# Altium PCB PCB2.PcbDoc (part 2 of 2)
Units mil, origin at the board's own origin, x right, y up, seen from the top; angles counter-clockwise.
Board outline 3044 x 3575 mil, 4 copper layers (Top Layer, second layer, Third layer, Bottom Layer), stack 31.458 mil thick; 117 components, 89 nets, 382 pads, 292 vias.
Unrouted connection lines stored in the file: 1.
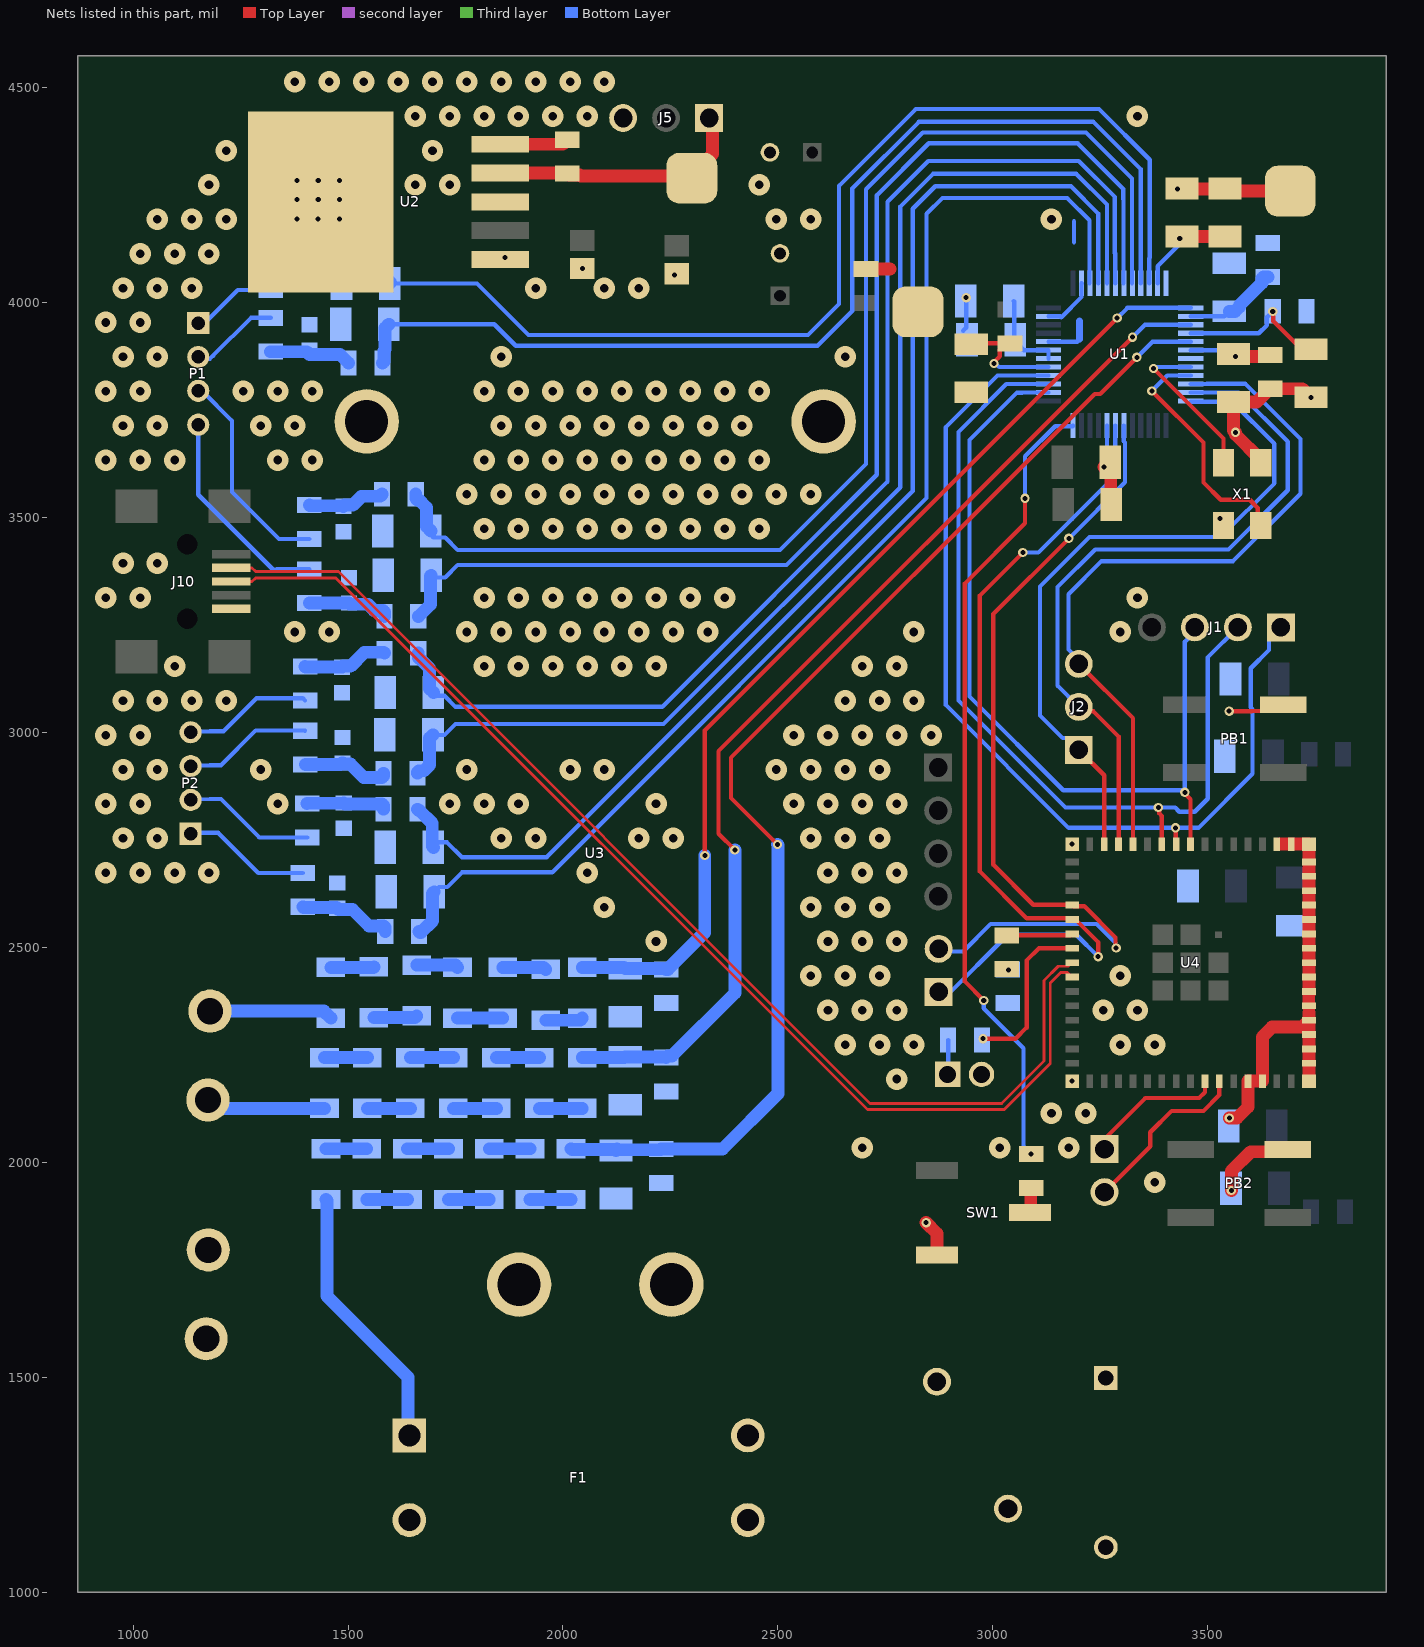
[diagram p4: the nets of this part, all layers, seen from the top]

## Via types
v1: diameter 50, hole 20, Top Layer to Bottom Layer, 219 vias
v2: diameter 21.65, hole 11.81, Top Layer to Bottom Layer, 68 vias
v3: diameter 216.54, hole 196.85, Top Layer to Bottom Layer, 4 vias
v4: diameter 21.65, hole 11.81, Top Layer to Bottom Layer, tented top, 1 vias

## Nets (pads, with @x,y where several pads share a name; then routed paths per layer and width w, separated by ;. In a path a pad name is that pad's centre, name@x,y a point inside that pad or via, vN(x,y) a via of type N, cw(c..) or ccw(c..) an arc to the next point about the centre after c; other vN are vias at no path point) (continued)
GND: C1.2 C2.1 C3.2 C4.2 C5.2 C6.2 C7.2 C8.2 C9.2 C10.2 C11.2 C12.2 C13.1 C14.1 C15.2 C16.2 C17.1 C18.1 C19.2 C20.2 C21.2 C23.1 C24.1 C25.2 C26.2 C27.2 C28.2 C29.2 C30.2 C31.2 C32.2 J5.3 J8.2 J10.5 PB1.B1 PB2.B1 R3.2 R4.2 R5.2 R10.2 R11.2 R12.1 R13.1 R22.2 R23.2 R24.1 R25.1 R37.2 R45.2 R53.2 R58.2 SW1.3 TP3.1 U1.2 U1.12 U1.19 U1.32 U1.44 U1.47 U2.1 U2.3 U2.6 U3.3 U4.1 U4.2 U4.42 U4.43 U4.46 U4.47 U4.48 U4.49 U4.50 U4.51 U4.52 U4.53 U4.54 U4.55 U4.56 U4.57 U4.58 U4.59 U4.60 U4.62 U4.63 U4.64 U4.65 X1.2 X1.4 | length 2625.5
  Top Layer w10: v2(3550,3050) 3602.05,3050 3602.32,3050.28 3661.5,3050.28 PB1.B1@3676.18,3064.96
  Top Layer w30: v2(2845,1860) 2870,1835 SW1.3@2870,1785 ; v2(3259,3618) 3263.23,3618 3273.43,3628.2 C3.2@3273.43,3628.94 3274.41,3627.95 3274.41,3531.5 C1.2@3275.39,3530.51 ; v2(3430,4265) 3539.09,4265 C6.2@3540,4265.91 3545.91,4260 TP3.1@3692,4260 ; v2(3550.2,2103.35) 3568.35,2103.35 3593.9,2128.9 U4.42@3593.9,2189.37 U4.43@3627.36,2189.37 3627.36,2292.36 3650,2315 3719.53,2315 U4.49@3735.63,2331.1 ; v2(3555,1935) 3555,1980 3600,2025 3681.38,2025 PB2.B1@3686.38,2030 ; X1.2@3623.31,3627.83 3623.31,3634.72 3564.46,3693.58 v2(3564.46,3698.7) 3560,3703.16 C8.2@3560,3769.09 3614.09,3769.09 R3.2@3645,3800 3720,3800 v2(3740,3780) ; 3668.7,2740.55 U4.1@3694.29,2740.55 U4.62@3735.63,2740.55 U4.60@3735.63,2699.21 U4.59@3735.63,2665.75 U4.58@3735.63,2632.28 U4.57@3735.63,2598.82 U4.56@3735.63,2565.35 U4.55@3735.63,2531.89 U4.54@3735.63,2498.43 U4.53@3735.63,2464.96 U4.52@3735.63,2431.5 U4.51@3735.63,2398.03 3735.63,2390.63 3735,2390 U4.50@3735,2360 ; U4.65@3735.63,2189.37 U4.46@3735.63,2230.71 U4.47@3735.63,2264.17 U4.48@3735.63,2297.64 U4.49@3735.63,2331.1 ; 3735.63,2349.37 U4.49@3735.63,2331.1
  Bottom Layer w10: C5.2@2931.04,3935.01 2938,3941.97 v2(2938,4012) ; U1.44@3129.65,3909.53 3196.53,3909.53 3202,3915 ; U1.47@3129.65,3968.58 3156.76,3968.58 3159.17,3966.16 3206.42,4013.41 U1.2@3206.42,4045.35 U1.2@3207,4044.77 ; 3189,4141 3189,4190 ; v2(3259,3618) 3261.23,3620.23 3261.23,3630.96 3265.47,3635.2 U1.32@3265.47,3714.65
  Bottom Layer w15.75: 3202,3915 3202,3957.45
  other v1: 3376.54,1954.21 2696.54,2034.21 3016.54,2034.21 3176.54,2034.21 3136.54,2114.21 3216.54,2114.21 2776.54,2194.21 2656.54,2274.21 2736.54,2274.21 2816.54,2274.21 3296.54,2274.21 3376.54,2274.21 2616.54,2354.21 2696.54,2354.21 2776.54,2354.21 3256.54,2354.21 3336.54,2354.21 2576.54,2434.21 2656.54,2434.21 2736.54,2434.21 3296.54,2434.21 2216.54,2514.21 2616.54,2514.21 2696.54,2514.21 2776.54,2514.21 2096.54,2594.21 2576.54,2594.21 2656.54,2594.21 2736.54,2594.21 936.54,2674.21 1016.54,2674.21 1096.54,2674.21 1176.54,2674.21 2056.54,2674.21 2616.54,2674.21 2696.54,2674.21 2776.54,2674.21 976.54,2754.21 1056.54,2754.21 1856.54,2754.21 1936.54,2754.21 2176.54,2754.21 2256.54,2754.21 2576.54,2754.21 2656.54,2754.21 2736.54,2754.21 936.54,2834.21 1016.54,2834.21 1336.54,2834.21 1736.54,2834.21 1816.54,2834.21 1896.54,2834.21 2216.54,2834.21 2536.54,2834.21 2616.54,2834.21 2696.54,2834.21 2776.54,2834.21 976.54,2914.21 1056.54,2914.21 1296.54,2914.21 1776.54,2914.21 2016.54,2914.21 2096.54,2914.21 2496.54,2914.21 2576.54,2914.21 2656.54,2914.21 2736.54,2914.21 936.54,2994.21 1016.54,2994.21 2536.54,2994.21 2616.54,2994.21 2696.54,2994.21 2776.54,2994.21 2856.54,2994.21 976.54,3074.21 1056.54,3074.21 1136.54,3074.21 1216.54,3074.21 2656.54,3074.21 2736.54,3074.21 2816.54,3074.21 1096.54,3154.21 1816.54,3154.21 1896.54,3154.21 1976.54,3154.21 2056.54,3154.21 2136.54,3154.21 2216.54,3154.21 2696.54,3154.21 2776.54,3154.21 1376.54,3234.21 1456.54,3234.21 1776.54,3234.21 1856.54,3234.21 1936.54,3234.21 2016.54,3234.21 2096.54,3234.21 2176.54,3234.21 2256.54,3234.21 2336.54,3234.21 2816.54,3234.21 3296.54,3234.21 936.54,3314.21 1016.54,3314.21 1816.54,3314.21 1896.54,3314.21 1976.54,3314.21 2056.54,3314.21 2136.54,3314.21 2216.54,3314.21 2296.54,3314.21 2376.54,3314.21 3336.54,3314.21 976.54,3394.21 1056.54,3394.21 1816.54,3474.21 1896.54,3474.21 1976.54,3474.21 2056.54,3474.21 2136.54,3474.21 2216.54,3474.21 2296.54,3474.21 2376.54,3474.21 2456.54,3474.21 1776.54,3554.21 1856.54,3554.21 1936.54,3554.21 2016.54,3554.21 2096.54,3554.21 2176.54,3554.21 2256.54,3554.21 2336.54,3554.21 2416.54,3554.21 2496.54,3554.21 2576.54,3554.21 936.54,3634.21 1016.54,3634.21 1096.54,3634.21 1336.54,3634.21 1416.54,3634.21 1816.54,3634.21 1896.54,3634.21 1976.54,3634.21 2056.54,3634.21 2136.54,3634.21 2216.54,3634.21 2296.54,3634.21 2376.54,3634.21 2456.54,3634.21 976.54,3714.21 1056.54,3714.21 1296.54,3714.21 1376.54,3714.21 1856.54,3714.21 1936.54,3714.21 2016.54,3714.21 2096.54,3714.21 2176.54,3714.21 2256.54,3714.21 2336.54,3714.21 2416.54,3714.21 936.54,3794.21 1016.54,3794.21 1256.54,3794.21 1336.54,3794.21 1416.54,3794.21 1816.54,3794.21 1896.54,3794.21 1976.54,3794.21 2056.54,3794.21 2136.54,3794.21 2216.54,3794.21 2296.54,3794.21 2376.54,3794.21 2456.54,3794.21 976.54,3874.21 1056.54,3874.21 1856.54,3874.21 2656.54,3874.21 936.54,3954.21 1016.54,3954.21 976.54,4034.21 1056.54,4034.21 1136.54,4034.21 1936.54,4034.21 2096.54,4034.21 2176.54,4034.21 1016.54,4114.21 1096.54,4114.21 1176.54,4114.21 1056.54,4194.21 1136.54,4194.21 1216.54,4194.21 2496.54,4194.21 2576.54,4194.21 3136.54,4194.21 1176.54,4274.21 1656.54,4274.21 1736.54,4274.21 2456.54,4274.21 1216.54,4354.21 1696.54,4354.21 1656.54,4434.21 1736.54,4434.21 1816.54,4434.21 1896.54,4434.21 1976.54,4434.21 2056.54,4434.21 3336.54,4434.21 1376.54,4514.21 1456.54,4514.21 1536.54,4514.21 1616.54,4514.21 1696.54,4514.21 1776.54,4514.21 1856.54,4514.21 1936.54,4514.21 2016.54,4514.21 2096.54,4514.21
  other v2: 3184.45,2189.37 3184.45,2740.55 3529,3498 2260,4065 2045,4080 1865,4105 1381.48,4195 1430,4194.66 1480,4195 1381.48,4240 1430.74,4240 1480,4240 1381.48,4285 1430.74,4285 1480,4285
Iam: P2.2 R28.2 | length 308.2
  Bottom Layer w10: P2.2@1133.86,2843.5 1179.14,2845.62 cw(c1179.61,2835.63) 1179.61,2845.63 1204.37,2845.63 1293.74,2756.26 R28.2@1405,2756.26
Iam-: P2.1 R18.2 | length 299.8
  Bottom Layer w10: P2.1@1133.86,2764.76 1154.61,2766.89 1198.11,2766.89 1291.26,2673.74 R18.2@1395,2673.74
Ibm: P1.3 R6.2 | length 498.3
  Bottom Layer w10: P1.3@1151.57,3795.28 1160.43,3795.28 1230.32,3725.39 1230.32,3559.68 1339.37,3450.63 R6.2@1410,3450.63
Ibm-: P1.4 R14.2 | length 479.4
  Bottom Layer w10: P1.4@1151.65,3701.89 1151.65,3553.35 1325.86,3379.14 1334.14,3379.14 1335,3380 R14.2@1410,3380
Icm: P2.3 R20.2 | length 299.9
  Bottom Layer w10: P2.3@1133.86,2922.24 1179.14,2924.36 cw(c1179.61,2914.37) 1179.61,2924.37 1204.37,2924.37 1285,3005 1399.37,3005 R20.2@1400,3004.37
Icm-: P2.4 R26.2 | length 300.1
  Bottom Layer w10: P2.4@1133.86,3000.98 1179.14,3003.1 cw(c1179.61,2993.11) 1179.61,3003.11 1210.1,3003.11 1286.99,3080 1395,3080 R26.2@1400,3075
Inm: P1.2 R16.2 | length 209.4
  Bottom Layer w10: P1.2@1151.57,3874.02 1155.51,3870.08 1179.13,3870.08 1186.14,3877.08 1274.06,3965 R16.2@1320,3965
Inm-: P1.1 R8.2 | length 206.4
  Bottom Layer w10: P1.1@1151.65,3938.11 1243.54,4030 R8.2@1320,4030
IRQ0: J4.2 U1.30 U4.19 | length 1984.8
  Top Layer w10: v2(3177,3452) 3001,3276 3001,2693 3094.32,2599.68 3183.59,2599.68 3187.32,2595.94 3213.06,2595.94 3285.52,2523.48 3285.52,2500.48 v2(3287,2499)
  Bottom Layer w10: J4.2@2890,2485 2896.07,2491.07 2931.07,2491.07 2995,2555 3241.52,2555 3285.52,2510.99 3285.52,2500.48 v2(3287,2499) ; v2(3177,3452) 3307.42,3582.42 3307.42,3675.11 3304.84,3677.68 U1.30@3304.84,3714.65
IRQ1: J4.1 U1.31 U4.20 | length 2002.2
  Top Layer w10: v2(3070,3419) 2970,3319 2970,2677 3078.77,2568.23 3181.57,2568.23 U4.20@3184.45,2565.35 3192.32,2565.35 3245,2512.68 v2(3245,2479)
  Bottom Layer w10: J4.1@2890,2385 3035,2530 3194,2530 v2(3245,2479) ; v2(3070,3419) 3106,3419 3285.16,3598.16 U1.31@3285.16,3714.65
LED1: D1.1 U4.21 | length 153.4
  Top Layer w10: D1.1@3032.48,2528.54 3032.68,2528.74 3181.3,2528.74 U4.21@3184.45,2531.89
LED2: R59.2 U4.22 | length 389.8
  Top Layer w10: v2(2977,2288) 3053,2288 3078.74,2313.74 3078.74,2469.74 3107.43,2498.43 U4.22@3184.45,2498.43
  Bottom Layer w10: R59.2@2975,2285 2975,2286 v2(2977,2288)
NetB1_2: B1.2 C22.2 F1.2 U3.1
NetC2_2: C2.2 R1.1 U1.41 | length 288.6
  Top Layer w10: C2.2@2950,3903.91 2951.72,3905.63 R1.1@3040,3905.63 3030.16,3905.63 3016.46,3891.93 3016.46,3875.61 3003,3862.15 v2(3003,3859)
  Bottom Layer w10: v2(3003,3859) 3006.15,3859 3014.68,3850.47 U1.41@3129.65,3850.47
NetC4_1: C4.1 C5.1 U1.42 U1.43 | length 198.2
  Bottom Layer w10: C4.1@3048.91,4004 3049.91,4003 C5.1@3049.91,3916 ; C5.1@3051.91,3914 3051.91,3910.04 3072.1,3889.84 U1.43@3129.65,3889.84 U1.42@3129.65,3870.16
NetC6_1: C6.1 C7.1 U1.11 | length 234.7
  Top Layer w30: v2(3435,4150) 3439.09,4154.09 C7.1@3440,4154.09 ; C7.1@3440,4149.09 3445,4154.09 C6.1@3540,4154.09
  Bottom Layer w10: U1.11@3383.58,4045.35 3383.58,4085.35 3433.35,4135.12 3433.35,4148.35 v2(3435,4150)
NetC8_1: C8.1 R3.1 U1.18 | length 192.3
  Top Layer w30: v2(3565,3875) 3641.26,3875 R3.1@3645,3878.74
  Bottom Layer w10: U1.18@3460.35,3889.84 3550.16,3889.84 v2(3565,3875)
NetC9_1: C9.1 R4.1 U1.16 | length 360.4
  Top Layer w10: v4(3651.26,3980) 3652.74,3978.52 3652.74,3957.26 3718.19,3891.81 C9.1@3740,3891.81
  Bottom Layer w10: U1.16@3460.35,3929.21 3618.86,3929.21 3637.56,3947.91 3637.56,3966.3 v4(3651.26,3980)
NetC10_1: C10.1 R5.1 U1.14 | length 225.3
  Bottom Layer w10: U1.14@3460.35,3968.58 3538.58,3968.58 C10.1@3550,3980
  Bottom Layer w30: C10.1@3550,3980 3563.39,3980 3573.58,3990.2 3573.58,3993.58 3626.46,4046.46 3626.46,4056.3 3630.16,4060 R5.1@3640,4060
NetC11_1: C11.1 R9.1 U1.10 | length 2651
  Bottom Layer w10: C11.1@1598.62,4046.81 C11.1@1596.81,4045 1800,4045 1920,3925 2570,3925 2642,3997 2642,4272 2821,4451 3247,4451 3365,4333 3365,4105 3363.9,4103.9 U1.10@3363.9,4045.35
  Bottom Layer w30: R9.1@1553.74,4135 1553.74,4125.16 1557.44,4121.46 1570.7,4121.46 1588.27,4103.88 1588.27,4057.16 C11.1@1598.62,4046.81
NetC12_1: C12.1 R7.1 U1.8 | length 2804.9
  Bottom Layer w10: C12.1@1697.96,3453.85 1726.15,3453.85 1755,3425 2505,3425 2705,3625 2705,4264 2837,4396 3217,4396 3323.9,4289.1 U1.8@3323.9,4045.35
  Bottom Layer w30: R7.1@1657.48,3555.12 1657.48,3545.28 1661.18,3541.57 1664.95,3541.57 1682.52,3524 1682.52,3479.69 C12.1@1692.72,3469.49
NetC13_2: C13.2 R15.1 U1.7 | length 2783.4
  Bottom Layer w10: C13.2@1693.7,3366.14 1698.69,3361.15 1705.84,3361.15 1726.15,3361.15 1755,3390 2520,3390 2730,3600 2730,4250 2851,4371 3197.36,4371 3303.36,4265 3303.36,4241.1 ; U1.7@3303.9,4045.35 3303.9,4241.1
  Bottom Layer w30: R15.1@1663.39,3270.67 1663.9,3270.16 1691.81,3298.07 1691.81,3364.25 C13.2@1693.7,3366.14
NetC14_2: C14.2 R17.1 U1.9 | length 2559.8
  Bottom Layer w10: C14.2@1595,3950 1840,3950 1890,3900 2592,3900 2673,3981 2673,4266 2828,4421 3234,4421 3343.9,4311.1 U1.9@3343.9,4045.35
  Bottom Layer w30: R17.1@1580,3860 1583.7,3863.7 1583.7,3888.35 1586.46,3891.12 1586.46,3941.46 C14.2@1595,3950
NetC15_1: C15.1 R21.1 U1.5 | length 2815.2
  Bottom Layer w10: C15.1@1697.64,2994.34 1724.34,2994.34 1750,3020 2234,3020 2785,3571 2785,4224 2861,4300 3194,4300 3265.47,4228.53 U1.5@3265.47,4045.35
  Bottom Layer w30: R21.1@1661.42,2905.51 1661.42,2907.8 1665.12,2911.5 1676.5,2911.5 1690,2925 1690,2987.44 C15.1@1697.64,2995.08
NetC16_1: C16.1 R19.2 U1.3 | length 2861.2
  Bottom Layer w10: C16.1@1700.59,2629.92 1711.82,2641.15 1731.15,2641.15 1765,2675 1975,2675 2846,3546 2846,4207 2883,4244 3173,4244 3225,4192 U1.3@3225,4045.35
  Bottom Layer w30: R19.2@1665.35,2537.4 1667.76,2535 1669.37,2535 1696.81,2562.44 1696.81,2626.14 C16.1@1700.59,2629.92
NetC17_2: C17.2 R27.1 U1.6 | length 2853.8
  Bottom Layer w10: C17.2@1698.62,3093.5 1698.62,3085.66 1724.34,3085.66 1750,3060 2231,3060 2755,3584 2755,4235 2850,4330 3200,4330 3284,4246 3284,4116 3285.16,4114.84 U1.6@3285.16,4045.35
  Bottom Layer w30: R27.1@1663.39,3185.04 1663.39,3175.2 1667.09,3171.5 1667.87,3171.5 1690,3149.37 1690,3102.13 C17.2@1698.62,3093.5
NetC18_2: C18.2 R29.2 U1.4 | length 2890.7
  Bottom Layer w10: C18.2@1698.62,2733.27 1710.11,2744.76 1730.24,2744.76 1765,2710 1962,2710 2814,3562 2814,4219 2866,4271 3182,4271 3245,4208 U1.4@3245,4045.35
  Bottom Layer w30: R29.2@1661.42,2821.85 1664.45,2818.82 1666.18,2818.82 1695.91,2789.09 1695.91,2735.98 C18.2@1698.62,2733.27
NetC19_1: C19.1 R36.1 R37.1 U1.17 | length 2833.3
  Top Layer w10: v2(2499,2740) 2391,2848 2391,2941.9 3237.1,3788 3250,3788 v2(3335,3873)
  Bottom Layer w10: v2(3335,3873) 3371.53,3909.53 U1.17@3460.35,3909.53
  Bottom Layer w30: R36.1@2018.57,2032.06 2020.62,2030.01 2121.53,2030.01 C19.1@2123.57,2027.96 ; C19.1@2125.31,2031.43 2127.04,2029.69 2226.84,2029.69 R37.1@2228.57,2031.43 2371.43,2031.43 2500,2160 2500,2739 v2(2499,2740)
NetC20_1: C20.1 R44.1 R45.1 U1.15 | length 2506
  Top Layer w10: v2(2400,2727) 2362,2765 2362,2957 v2(3325,3920)
  Bottom Layer w10: C20.1@2143.15,2244.06 C20.1@2145,2245.91 ; v2(3325,3920) 3353.9,3948.9 U1.15@3460.35,3948.9
  Bottom Layer w30: R44.1@2045,2244.06 C20.1@2143.15,2244.06 ; C20.1@2145,2245.91 2238.46,2245.91 R45.1@2240,2244.37 2243.7,2248.07 2253.54,2248.07 2400,2394.53 v2(2400,2727)
NetC21_1: C21.1 R52.1 R53.1 U1.13 | length 2330
  Top Layer w10: v2(2330,2714) 2330,3005.2 v2(3289.37,3964.57)
  Bottom Layer w10: v2(3289.37,3964.57) 3313.07,3988.27 U1.13@3460.35,3988.27
  Bottom Layer w30: R52.1@2045,2454.06 2141.85,2454.06 C21.1@2145,2450.91 2238.46,2450.91 R53.1@2240,2449.37 2244.01,2449.37 2330,2535.36 v2(2330,2714)
NetD1_2: D1.2 R58.1
  other v2: 3036.42,2447.83
NetJ5_1: J5.1 R55.1 TP1.1 U2.4 | length 617.2
  Top Layer w30: U2.4@1853.86,4301.93 2008.7,4301.93 2013.7,4296.93 2039.19,4296.93 2041.12,4295 TP1.1@2305,4295 ; TP1.1@2300,4290 2300,4297.86 2348,4345.86 2348,4422 J5.1@2340,4430
NetJ8_1: J8.1 R59.1 | length 80.5
  Bottom Layer w10: J8.1@2895,2205 2896.26,2206.26 R59.1@2896.26,2285
NetJ9_1: J9.1 U4.39 | length 358.1
  Top Layer w10: J9.1@3260,2031 3260,2055 3355,2150 3480,2150 3493.5,2163.5 U4.39@3493.5,2189.37
  second layer w10: J9.1@3260,2031 J9.1@3270.52,2020.48
  Third layer w10: J9.1@3260,2031 J9.1@3270.52,2020.48
NetJ9_2: J9.2 U4.40 | length 412.3
  Top Layer w10: J9.2@3260.48,1931.48 3366.5,2037.5 3366.5,2070.5 3416,2120 3490,2120 3526.97,2156.97 U4.40@3526.97,2189.37
  Bottom Layer w10: J9.2@3260,1931 J9.2@3260.48,1931.48
NetR2_1: R2.1 SW1.2 | length 58.6
  Top Layer w10: SW1.2@3086.54,1883.43 SW1.2@3088.27,1885.16 ; R2.1@3088.27,1938.9 R2.1@3090,1940.63
  Top Layer w30: SW1.2@3088.27,1885.16 R2.1@3088.27,1938.9
NetR2_2: R2.2 U1.36 | length 1911.6
  Top Layer w10: v2(2979,2377) 2935,2421 2935,3347 3075,3487 v2(3075,3545) ; R2.2@3071.66,2033.07 3085.36,2019.37 R2.2@3090,2019.37
  Bottom Layer w10: v2(2979,2377) 2979,2358.6 3071.66,2265.94 3071.66,2037.71 v2@3090,2019.37 ; v2(3075,3545) 3075,3642.91 3145.11,3713.02 3185.83,3713.02 3186.73,3713.93 U1.36@3186.73,3714.65
  other v2: 3089.37,2020
NetR6_1: R6.1 R7.2 R10.1 | length 182.6
  Bottom Layer w30: R6.1@1410,3529.37 1411.42,3527.95 1487.58,3527.95 R10.1@1489,3526.53 1491.72,3529.24 1510.9,3529.24 1531.66,3550 1575.04,3550 1578.74,3553.7 R7.2@1578.74,3555.12
NetR8_1: R8.1 R9.2 R11.1 | length 167.7
  Bottom Layer w30: R8.1@1320,4108.74 1321.11,4107.63 1402.89,4107.63 R11.1@1404,4106.53 1406.21,4108.74 1448.74,4108.74 R9.2@1475,4135
NetR12_2: R12.2 R14.1 R15.2 | length 193.3
  Bottom Layer w30: R14.1@1410,3301.26 1410.11,3301.37 1501.89,3301.37 R12.2@1502,3301.47 1504.72,3298.76 1546.24,3298.76 1560.79,3284.21 1580.94,3284.21 1584.65,3280.51 R15.2@1584.65,3270.67
NetR13_2: R13.2 R16.1 R17.2 | length 192.1
  Bottom Layer w30: R16.1@1320,3886.26 1403.74,3886.26 1410,3880 1481.26,3880 R17.2@1501.26,3860
NetR18_1: R18.1 R19.1 R23.1 | length 220.9
  Bottom Layer w30: R18.1@1395,2595 1396.76,2593.24 1473.24,2593.24 1477.72,2588.76 1510.24,2588.76 1548.66,2550.34 1582.91,2550.34 1586.61,2546.63 R19.1@1586.61,2537.4
NetR20_1: R20.1 R21.2 R22.1 | length 206.8
  Bottom Layer w10: R20.1@1400,2925.63 R20.1@1400.63,2926.26
  Bottom Layer w30: R20.1@1400.63,2926.26 1482.8,2926.26 1486.02,2929.47 R22.1@1487.98,2929.47 ; R22.1@1487,2929.47 1489.72,2926.76 1505.57,2926.76 1536.55,2895.77 1578.98,2895.77 1582.68,2899.48 R21.2@1582.68,2905.51
NetR24_2: R24.2 R26.1 R27.2 | length 200.7
  Bottom Layer w30: R26.1@1400,3153.74 1400.84,3152.9 1485.16,3152.9 R24.2@1486,3152.06 1488.72,3154.77 1506.15,3154.77 1538.52,3187.14 1582.54,3187.14 R27.2@1584.65,3185.04
NetR25_2: R25.2 R28.1 R29.1 | length 189.2
  Bottom Layer w30: R28.1@1405,2835 1405.76,2835.76 1489.24,2835.76 R25.2@1490,2836.53 1492.72,2833.81 1578.98,2833.81 1582.68,2830.11 R29.1@1582.68,2821.85
NetR30_1: R30.1 R31.2 | length 95
  Bottom Layer w30: R30.1@1448.57,2032.06 R31.2@1543.57,2032.06
NetR31_1: R31.1 R32.2 | length 95
  Bottom Layer w30: R31.1@1543.57,1913.94 R32.2@1638.57,1913.94
NetR32_1: R32.1 R33.2 | length 95
  Bottom Layer w30: R32.1@1638.57,2032.06 R33.2@1733.57,2032.06
NetR33_1: R33.1 R34.2 | length 95
  Bottom Layer w30: R33.1@1733.57,1913.94 R34.2@1828.57,1913.94
NetR34_1: R34.1 R35.2 | length 95
  Bottom Layer w30: R34.1@1828.57,2032.06 R35.2@1923.57,2032.06
NetR35_1: R35.1 R36.2 | length 95
  Bottom Layer w30: R35.1@1923.57,1913.94 R36.2@2018.57,1913.94
NetR38_1: R38.1 R39.2 | length 100
  Bottom Layer w30: R38.1@1445,2244.06 R39.2@1545,2244.06
NetR39_1: R39.1 R40.2 | length 100
  Bottom Layer w30: R39.1@1545,2125.94 R40.2@1645,2125.94
NetR40_1: R40.1 R41.2 | length 100
  Bottom Layer w30: R40.1@1645,2244.06 R41.2@1745,2244.06
NetR41_1: R41.1 R42.2 | length 100
  Bottom Layer w30: R41.1@1745,2125.94 R42.2@1845,2125.94
NetR42_1: R42.1 R43.2 | length 100
  Bottom Layer w30: R42.1@1845,2244.06 R43.2@1945,2244.06
NetR43_1: R43.1 R44.2 | length 100
  Bottom Layer w30: R43.1@1945,2125.94 R44.2@2045,2125.94
NetR46_1: R46.1 R47.2 | length 100.4
  Bottom Layer w30: R46.1@1460,2454.06 1559.06,2454.06 R47.2@1560,2455
NetR47_1: R47.1 R48.2 | length 101.7
  Bottom Layer w30: R47.1@1560,2336.89 1655.94,2336.89 R48.2@1660,2340.94
NetR48_1: R48.1 R49.2 | length 97.1
  Bottom Layer w30: R48.1@1660,2459.06 1750,2459.06 R49.2@1755,2454.06
NetR49_1: R49.1 R50.2 | length 105
  Bottom Layer w30: R49.1@1755,2335.94 R50.2@1860,2335.94
NetR50_1: R50.1 R51.2 | length 102.1
  Bottom Layer w30: R50.1@1860,2454.06 1955,2454.06 R51.2@1960,2449.06
NetR51_1: R51.1 R52.2 | length 87.1
  Bottom Layer w30: R51.1@1960,2330.94 2040,2330.94 R52.2@2045,2335.94
NetR54_2: R54.2 TP2.1 U3.4 | length 56.3
  Top Layer w30: R54.2@2705,4078.74 2761.26,4078.74
NetR55_2: R55.2 U2.5 | length 160.5
  Top Layer w30: U2.5@1853.86,4368.86 1999.49,4368.86 R55.2@2010,4379.37
NetU1_20: U1.20 X1.3 | length 374.3
  Top Layer w10: v2(3374,3847) 3536.69,3684.31 X1.3@3536.69,3627.83
  Bottom Layer w10: v2(3374,3847) 3376.09,3847 3379.56,3850.47 U1.20@3460.35,3850.47
NetU1_21: U1.21 X1.1 | length 562.4
  Top Layer w10: v2(3370,3795) 3490,3675 3490,3582 3530.31,3541.69 3597.68,3541.69 3616.57,3522.8 3616.57,3488.9 X1.1@3623.31,3482.17
  Bottom Layer w10: v2(3370,3795) 3405.79,3830.79 U1.21@3460.35,3830.79
SCLK: J1.3 U1.38 U4.8 | length 1938.9
  Top Layer w10: v2(3446.85,2861.22) 3446.85,2858.07 3460.04,2844.88 U4.8@3460.04,2740.55
  Bottom Layer w10: 3068.13,3791.1 3056.1,3791.1 2946,3681 2946,3084 3163.86,2866.14 3438.78,2866.14 3443.7,2861.22 v2(3446.85,2861.22) 3446.85,3211.66 3470,3234.81 J1.3@3470,3245 ; 3068.13,3791.42 U1.38@3129.65,3791.42
SDI: J1.1 U1.40 U4.9 | length 2229.4
  Top Layer w10: v2(3425.2,2778.54) 3425.89,2777.85 3425.89,2741.24 U4.9@3426.57,2740.55
  Bottom Layer w10: U1.40@3129.65,3830.79 3092.68,3830.79 3092.37,3831.1 3011.1,3831.1 2890.82,3710.82 2890.82,3064.18 3176.46,2778.54 3478.54,2778.54 3604.33,2904.34 3604.33,3054.76 3600,3059.09 3600,3150 3642.52,3192.52 3642.52,3217.52 J1.1@3670,3245
SDO: J1.2 U1.39 U4.10 | length 2098
  Top Layer w10: v2(3385.28,2825.79) 3387.51,2823.56 3387.51,2811.9 3393.11,2806.3 U4.10@3393.11,2740.55
  Bottom Layer w10: U1.39@3129.65,3811.1 3031.45,3811.1 2920,3699.65 2920,3075 3169.21,2825.79 v2(3385.28,2825.79) ; v2@3383.86,2825.79 3424.33,2825.79 3433.98,2816.14 3469.88,2816.14 3500,2846.26 3500,2900.01 3499.8,2900.2 3499.8,3174.8 J1.2@3570,3245
USB_N: J10.2 U4.23 | length 2708.9
  Top Layer w6.5: J10.2@1228.36,3383.11 1276.89,3383.11 1285.39,3374.61 1477.46,3374.61 2714.54,2137.53 3020.67,2137.53 3119.09,2235.96 3119.09,2423.33 3152.2,2456.43 3174.93,2456.43 U4.23@3178.15,2459.65
USB_P: J10.3 U4.24 | length 2718.2
  Top Layer w6.5: J10.3@1228.36,3351.61 1276.89,3351.61 1285.39,3360.11 1471.46,3360.11 2708.54,2123.03 3026.68,2123.03 3133.59,2229.95 3133.59,2417.32 3158.2,2441.93 3174.02,2441.93 U4.24@3184.45,2431.5
Va: F1.1 J6.2 R30.2 | length 629.3
  Bottom Layer w30: R30.2@1448.57,1913.94 1450.79,1911.73 1450.79,1689.42 1639.76,1500.44 1639.76,1367.83 F1.1@1642.6,1365
Vb: J7.2 R38.2 | length 279
  Bottom Layer w30: J7.2@1174.09,2145.43 1193.58,2125.94 R38.2@1445,2125.94
Vc: J7.1 R46.2 | length 287.7
  Bottom Layer w30: J7.1@1179.02,2352.13 1443.82,2352.13 R46.2@1460,2335.94
Vn: B1.1 C22.1 J6.1 U3.2
ZX0: J2.3 U1.22 U4.12 | length 1716.3
  Top Layer w10: J2.3@3200,3160 3326.18,3033.82 U4.12@3326.18,2740.55
  Bottom Layer w10: J2.3@3200,3160 3200,3169.44 3176.1,3193.34 3176.1,3322.1 3253,3399 3559,3399 3715.83,3555.83 3715.83,3683.17 3587.58,3811.42 3497.63,3811.42 3497.32,3811.1 U1.22@3460.35,3811.1
ZX1: J2.2 U1.23 U4.13 | length 1685.6
  Top Layer w10: J2.2@3200,3060 3210.52,3049.48 3234.3,3049.48 3292.72,2991.07 U4.13@3292.72,2740.55
  Bottom Layer w10: J2.2@3200,3060 3150.66,3109.34 3150.66,3338.66 3238.26,3426.26 3548.3,3426.26 3686,3563.97 3686,3677 3571.58,3791.42 3497.32,3791.42 U1.23@3460.35,3791.42
ZX2: J2.1 U1.24 U4.14 | length 1639
  Top Layer w10: J2.1@3200,2960 3259.25,2900.75 U4.14@3259.25,2740.55
  Bottom Layer w10: J2.1@3200,2960 3172.52,2987.48 3162.52,2987.48 3110,3040 3110,3340 3225,3455 3530,3455 3655,3580 3655,3672 3557,3770 3460.87,3770 U1.24@3460.35,3770.51
pads on no net: J10.4 J10.6 J10.7 J10.8 J10.9 J10.10 J10.11 PB1.A2 PB1.B2 PB2.A2 PB2.B2 U1.29 U1.35 U1.45 U1.46 U4.5 U4.6 U4.7 U4.25 U4.26 U4.27 U4.28 U4.29 U4.30 U4.31 U4.32 U4.33 U4.34 U4.35 U4.36 U4.37 U4.38 U4.41 U4.44 U4.61_1 U4.61_2 U4.61_3 U4.61_4 U4.61_5 U4.61_6 U4.61_7 U4.61_8 U4.61_9
copper on no net:
  other v3: 1015,1124 3761,1132 1026,4435 3776,4452

## Polygon pours and split planes (outlines as drawn)
GND on Top Layer "GND_L01_P044" (solid, remove dead copper, pour order 44): 893,4076 1368,4551 3435,4551 3884,4102 3884,1809 3813.13,1738.13 2937.04,1738.13 2170.89,2504.28 972.6,2507.43 893,2587.02
Va on Top Layer "VA_L01_P023" (solid, pour order 23): 1110,1494.24 1110.05,1616 1145,1645 1632.3,1645 1720,1561.08 1720,1080 1455,1080
+5V on Top Layer "+5V_L01_P032" (solid, pour order 32): 1786.93,4149 1786.93,4190 1945,4190 1961.69,4206.69 2213.31,4206.69 2247,4173 2390,4173 2442,4121 2442,4071 2455,4058 2575,4058 2602,4031 2723,4031 2741,4013 2741,3933 2599,3933 2561,3971 2426.27,3971 2364,4034.49 2364,4085 2341,4108 2162,4108 2150,4120 1979,4120 1949,4150 1948,4149
NetR54_2 on Top Layer "NETR54_2_L01_P033" (solid, pour order 33): 2522,3813 2522,3647 2529,3640 2695,3640 2695,3720 2856,3881 2856,4154 2813,4197 2683,4197 2660,4174 2660,4067 2668.78,4057.64 2768,4057 2783,4042 2783,3908 2686.87,3811.87
AVDD33 on Top Layer "AVDD33_L01_P036" (solid, pour order 36): 3620,2735 3635,2735 3635,2707 3651,2691 3651,2637 3638,2624 3614,2624 3603,2637 3603,2691 3620,2707
+5V on Top Layer "+5V_L01_P039" (solid, remove dead copper, pour order 39): 1730.18,4186.24 1815,4187.74 1815,4148 1786,4148 1769,4131 1769,3660 1470.78,3444.22 1332.93,3444.22 1280.69,3403.59 1232.8,3406 1236,3426 1234.32,3424.32 1307.97,3489.31 1435,3489.31 1691,3678 1691,4148
GND on Bottom Layer "GND_L04_P045" (solid, pour order 45): 891.25,4081.75 1360.5,4551 3435,4551 3885.64,4100.36 3884,1809 3815.97,1738.8 2563.19,1720.17 2420.09,1890 2070.92,1890 2072.32,2492.61 1997,2590.63 891.25,2590.63
AVDD33 on Bottom Layer "AVDD33_L04_P034" (solid, pour order 34): 3101,3985 3102,3984 3148.62,3982.67 3148.62,4017.72 3192.64,4017.72 3192.64,4072.79 3133.04,4072.79 3133.04,4148 3043,4148 3023,4138 3023,4091.67 3043,4079 3101,4075
AVDD33 on Bottom Layer "AVDD33_L04_P035" (solid, pour order 35): 3220,3744.09 3251.69,3744.09 3251.69,3675.69 3173,3597 3145,3597 3134,3608 3134,3627 3144,3637 3191,3637 3220,3666
GND on second layer "GND_L02_P043" (solid, remove dead copper, pour order 43): 893,2587.02 966.71,2505.38 2170.89,2504.28 2937.04,1738.13 3813.13,1738.13 3884,1811.52 3884,4102 3467,4532 1368,4551 893,4076
Vn on second layer "VN_L02_P030" (solid, pour order 30): 3268,1572 3350,1490 3350,1350 2810,1350 2541.98,1618.02 2221.11,1618.02 2168.74,1673.58 2168.42,1856.36 2140.8,1890 1900,1890 1770,1890 1620,1740 1120,1740 1120,1950 1280,2030 1516.91,2030 1652.03,2187.1 2250,2187.1 2865.1,1572
AVDD33 on second layer "AVDD33_L02_P031" (solid, remove dead copper, pour order 31): 2928.27,3515.73 2964,3480 3196,3480 3196,3654 3148,3702 3057,3702 3057,3950 3114.04,4002.8 3751,4009 3789,3971 3779.98,2846.98 3725,2792 3640,2792 3610,2762 3610,2452 3807,2255 3807,1881 3755,1829 3102,1829 2911,2020 2818.52,2020 2818.52,1958.67 2848.32,1957.32 3051.31,1738.13 3813.13,1738.13 3884,1809 3884,4082 3860.73,4105.27 3114.04,4105.27 3057,4156.13 3057,4352 2900,4432 2692,4432 2577,4547 2210,4547 2199,4536 2199,4398 2235,4362 2380,4362 2405,4387 2530,4387 2555,4362 2555,4302 2570,4287 2870,4292 2928.27,4260.27
GND on Third layer "GND_L03_P042" (solid, remove dead copper, pour order 42): 893,4076 1368,4551 3435,4551 3884,4102 3884,1809 3813.13,1738.13 2937.04,1738.13 2688.3,1986.88 1007,1986.88 893,2067
NetB1_2 on Third layer "NETB1_2_L03_P024" (solid, pour order 24): 3330,1020 3330,1130 3210,1250 2675,1250 2441.44,1475.81 2096.52,1481.76 1985,1600.49 1985,1755.1 1950.08,1800 1850,1800 1810,1755.1 1810,1020

## Other copper
Bottom Layer:
  pour cut-out: 3153.43,4093.18 3154.1,4092.52 3215.55,4092.52 3215.55,4079.72 3216.54,4078.74 3153.54,4078.74
  pour cut-out: 3270.66,3682.41 3271.18,3712.19 3276.49,3711.61 3276.49,3601.75 3273.3,3598.55 3271.18,3596.44
  pour cut-out: 927,2503 1329.13,2503 1331.13,2505

## Silkscreen, mask and mechanical layers (free items; w line width, h text height)
Top Overlay:
  drawing of 14 lines, arcs and shapes, not listed
  text "GND" at 2126.03,4504.97 h10
  text "3V3 IN" at 2319.93,4503 h10
  text "3V3 OUT" at 2220.52,4497.09 h10
  text "ENTC" at 3090,4315 h60
  text "3V3" at 2582.59,4273.28 h10
  text "5V" at 2843,4123 h10
  text "~CS" at 3347.49,3314.02 h10
  text "SDO" at 3558.12,3312.06 h10
  text "SDI" at 3662.45,3312.06 h10
  text "SCLK" at 3457.72,3311.07 h10
  text "A" at 2882.86,2069.33 h10
  text "Tx" at 3200,2055 h10 r90
  text "Rx" at 3200.71,1948.9 h10 r90
  text "CAUTION!" at 1060,1325 h30
Bottom Overlay:
  drawing of 18 lines, arcs and shapes, not listed
  text "CAUTION!" at 2270,1175 h60